# KiCad board BioAmp-EXG-Panel.kicad_pcb
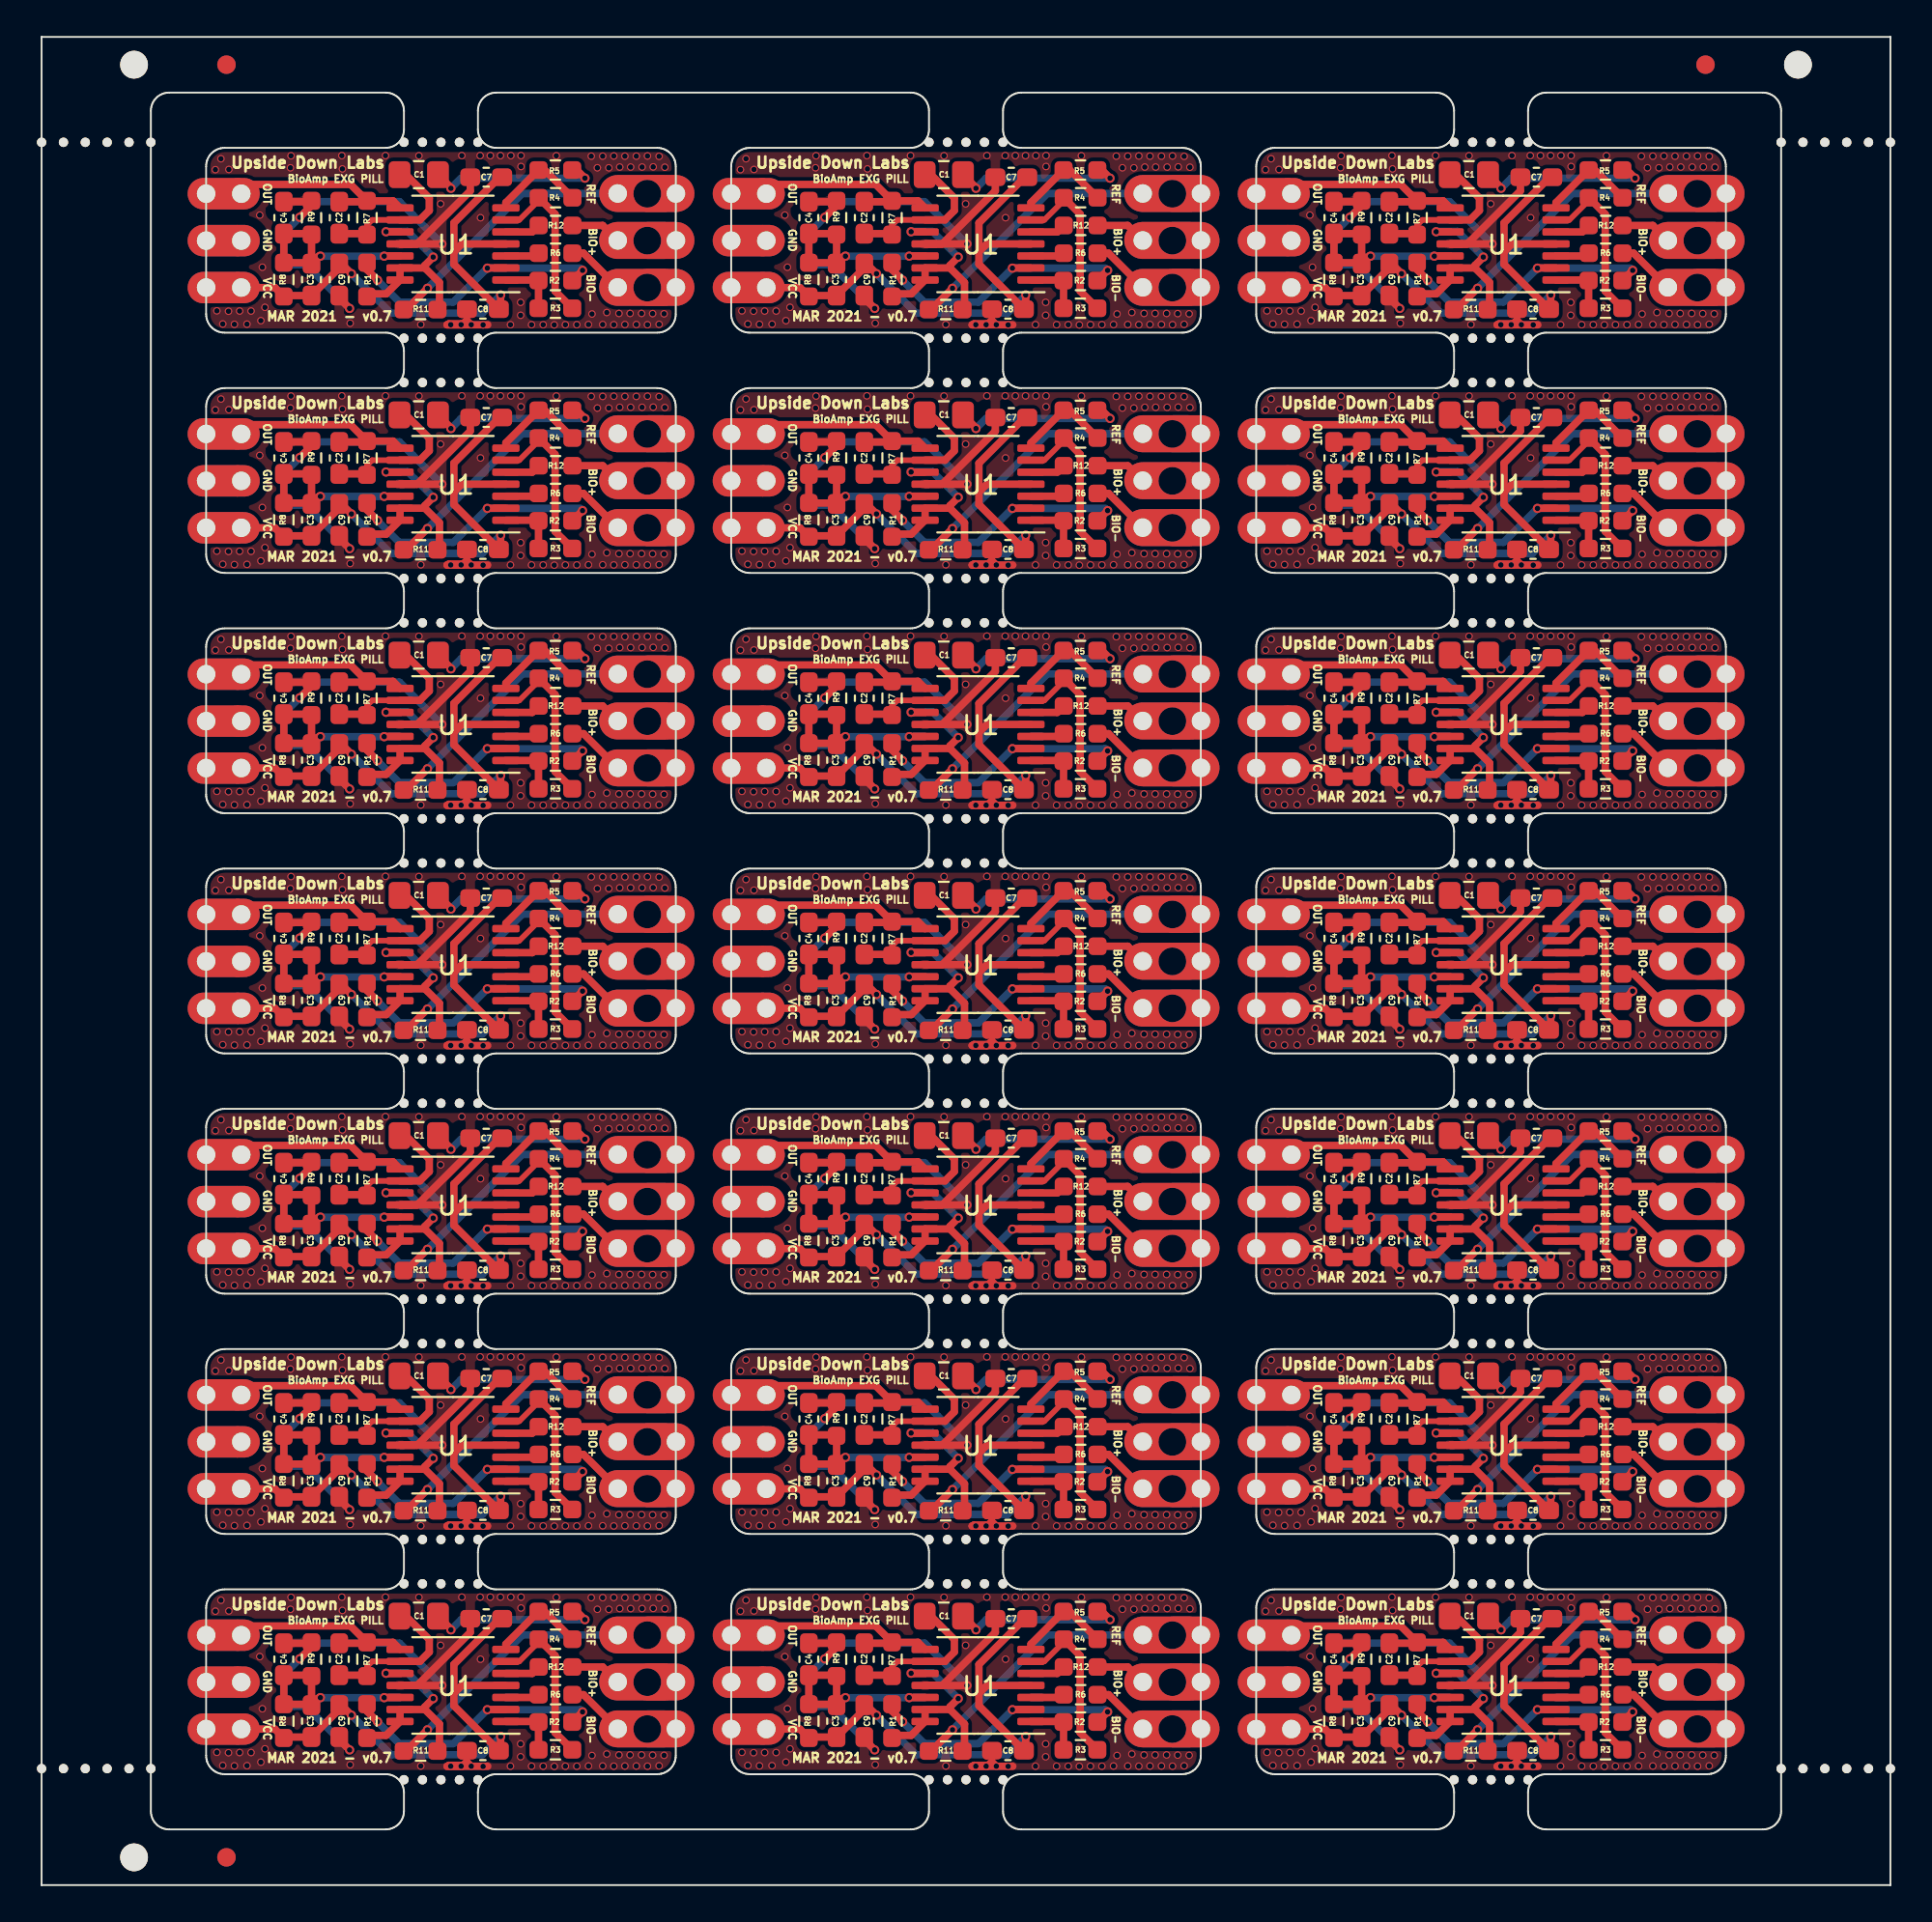
[diagram p0: board, top side]
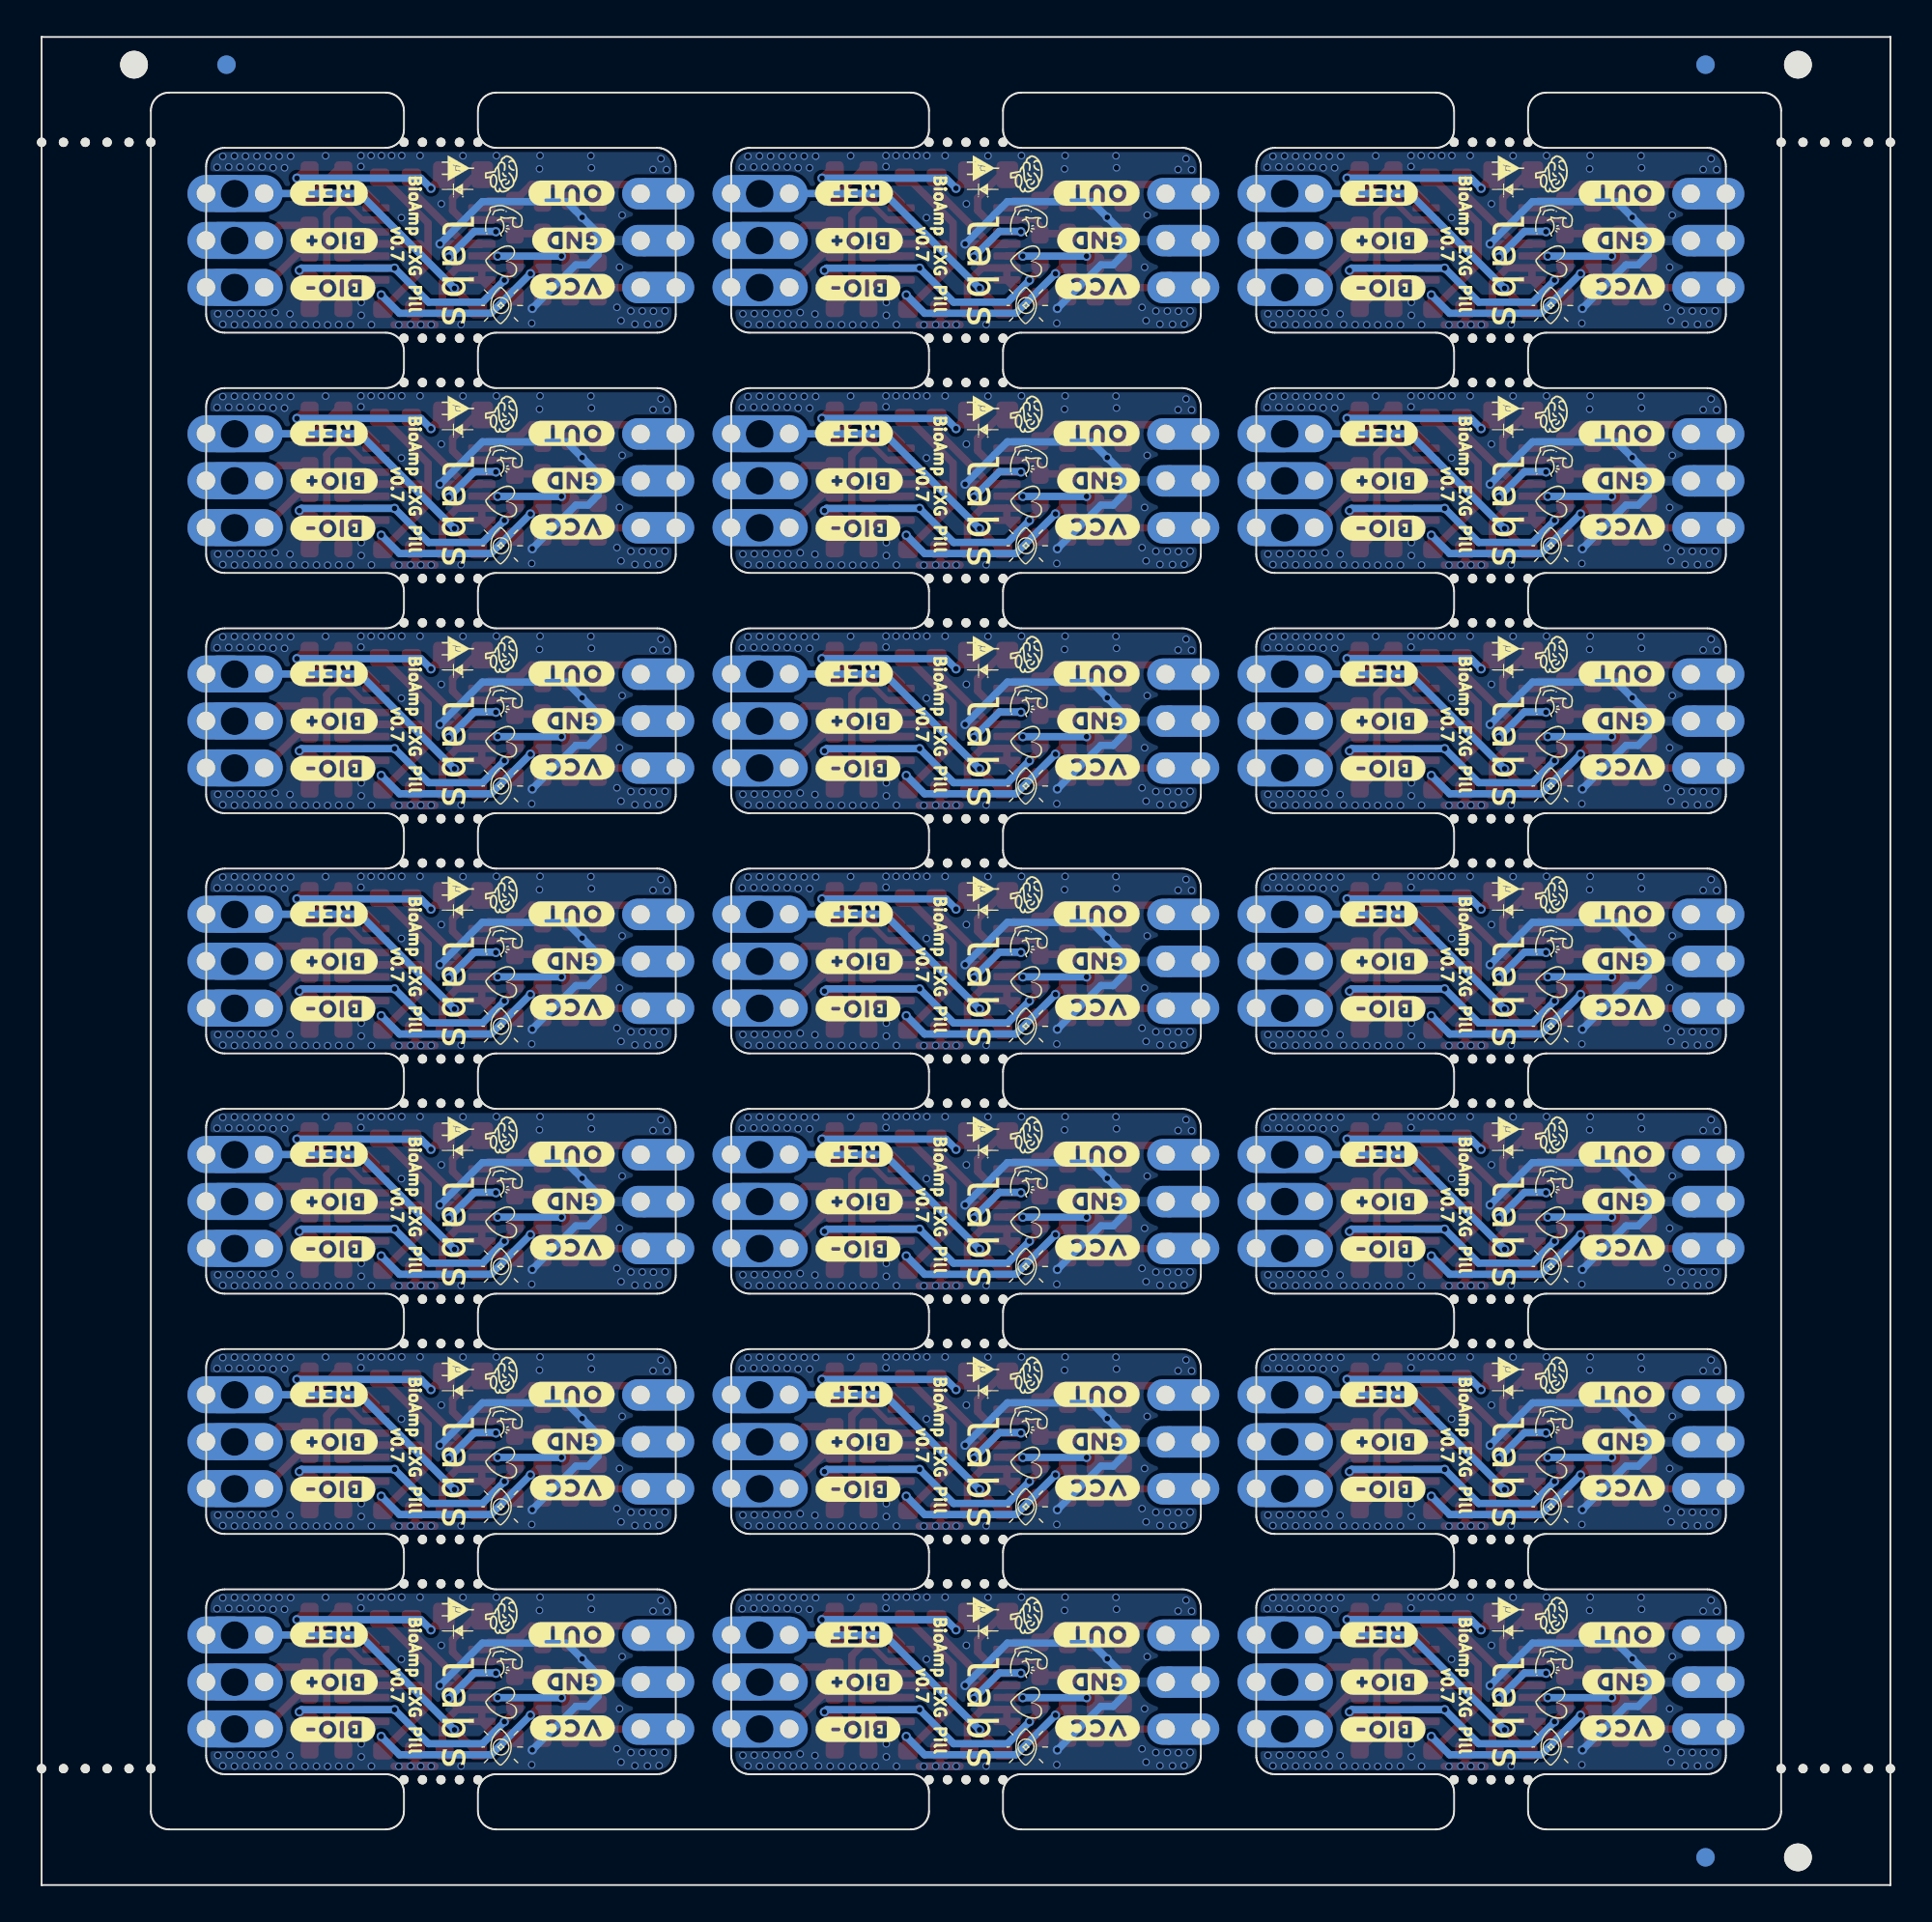
[diagram p1: board, bottom side, seen from below]

Outline 100 x 100 mm; copper layers: Top, Bottom. Coordinates in mm from the lower left corner of the outline.

## Placement (name value [footprint] x y rotation side)
C1  47uf  [C_0805_2012Metric_Pad1.18x1.45mm_HandSolder]  20.4 92.55 0 top
C1#2  47uf  [C_0805_2012Metric_Pad1.18x1.45mm_HandSolder]  48.8 92.55 0 top
C1#3  47uf  [C_0805_2012Metric_Pad1.18x1.45mm_HandSolder]  77.2 92.55 0 top
C1#4  47uf  [C_0805_2012Metric_Pad1.18x1.45mm_HandSolder]  20.4 79.55 0 top
C1#5  47uf  [C_0805_2012Metric_Pad1.18x1.45mm_HandSolder]  48.8 79.55 0 top
C1#6  47uf  [C_0805_2012Metric_Pad1.18x1.45mm_HandSolder]  77.2 79.55 0 top
C1#7  47uf  [C_0805_2012Metric_Pad1.18x1.45mm_HandSolder]  20.4 66.55 0 top
C1#8  47uf  [C_0805_2012Metric_Pad1.18x1.45mm_HandSolder]  48.8 66.55 0 top
C1#9  47uf  [C_0805_2012Metric_Pad1.18x1.45mm_HandSolder]  77.2 66.55 0 top
C1#10  47uf  [C_0805_2012Metric_Pad1.18x1.45mm_HandSolder]  20.4 53.55 0 top
C1#11  47uf  [C_0805_2012Metric_Pad1.18x1.45mm_HandSolder]  48.8 53.55 0 top
C1#12  47uf  [C_0805_2012Metric_Pad1.18x1.45mm_HandSolder]  77.2 53.55 0 top
C1#13  47uf  [C_0805_2012Metric_Pad1.18x1.45mm_HandSolder]  20.4 40.55 0 top
C1#14  47uf  [C_0805_2012Metric_Pad1.18x1.45mm_HandSolder]  48.8 40.55 0 top
C1#15  47uf  [C_0805_2012Metric_Pad1.18x1.45mm_HandSolder]  77.2 40.55 0 top
C1#16  47uf  [C_0805_2012Metric_Pad1.18x1.45mm_HandSolder]  20.4 27.55 0 top
C1#17  47uf  [C_0805_2012Metric_Pad1.18x1.45mm_HandSolder]  48.8 27.55 0 top
C1#18  47uf  [C_0805_2012Metric_Pad1.18x1.45mm_HandSolder]  77.2 27.55 0 top
C1#19  47uf  [C_0805_2012Metric_Pad1.18x1.45mm_HandSolder]  20.4 14.55 0 top
C1#20  47uf  [C_0805_2012Metric_Pad1.18x1.45mm_HandSolder]  48.8 14.55 0 top
C1#21  47uf  [C_0805_2012Metric_Pad1.18x1.45mm_HandSolder]  77.2 14.55 0 top
C2  100pf  [C_0603_1608Metric_Pad1.08x0.95mm_HandSolder]  16.1 90.22 270 top
C2#2  100pf  [C_0603_1608Metric_Pad1.08x0.95mm_HandSolder]  44.5 90.22 270 top
C2#3  100pf  [C_0603_1608Metric_Pad1.08x0.95mm_HandSolder]  72.9 90.22 270 top
C2#4  100pf  [C_0603_1608Metric_Pad1.08x0.95mm_HandSolder]  16.1 77.22 270 top
C2#5  100pf  [C_0603_1608Metric_Pad1.08x0.95mm_HandSolder]  44.5 77.22 270 top
C2#6  100pf  [C_0603_1608Metric_Pad1.08x0.95mm_HandSolder]  72.9 77.22 270 top
C2#7  100pf  [C_0603_1608Metric_Pad1.08x0.95mm_HandSolder]  16.1 64.22 270 top
C2#8  100pf  [C_0603_1608Metric_Pad1.08x0.95mm_HandSolder]  44.5 64.22 270 top
C2#9  100pf  [C_0603_1608Metric_Pad1.08x0.95mm_HandSolder]  72.9 64.22 270 top
C2#10  100pf  [C_0603_1608Metric_Pad1.08x0.95mm_HandSolder]  16.1 51.22 270 top
C2#11  100pf  [C_0603_1608Metric_Pad1.08x0.95mm_HandSolder]  44.5 51.22 270 top
C2#12  100pf  [C_0603_1608Metric_Pad1.08x0.95mm_HandSolder]  72.9 51.22 270 top
C2#13  100pf  [C_0603_1608Metric_Pad1.08x0.95mm_HandSolder]  16.1 38.22 270 top
C2#14  100pf  [C_0603_1608Metric_Pad1.08x0.95mm_HandSolder]  44.5 38.22 270 top
C2#15  100pf  [C_0603_1608Metric_Pad1.08x0.95mm_HandSolder]  72.9 38.22 270 top
C2#16  100pf  [C_0603_1608Metric_Pad1.08x0.95mm_HandSolder]  16.1 25.22 270 top
C2#17  100pf  [C_0603_1608Metric_Pad1.08x0.95mm_HandSolder]  44.5 25.22 270 top
C2#18  100pf  [C_0603_1608Metric_Pad1.08x0.95mm_HandSolder]  72.9 25.22 270 top
C2#19  100pf  [C_0603_1608Metric_Pad1.08x0.95mm_HandSolder]  16.1 12.22 270 top
C2#20  100pf  [C_0603_1608Metric_Pad1.08x0.95mm_HandSolder]  44.5 12.22 270 top
C2#21  100pf  [C_0603_1608Metric_Pad1.08x0.95mm_HandSolder]  72.9 12.22 270 top
C3  100n  [C_0603_1608Metric_Pad1.08x0.95mm_HandSolder]  14.6 86.87 90 top
C3#2  100n  [C_0603_1608Metric_Pad1.08x0.95mm_HandSolder]  43 86.87 90 top
C3#3  100n  [C_0603_1608Metric_Pad1.08x0.95mm_HandSolder]  71.4 86.87 90 top
C3#4  100n  [C_0603_1608Metric_Pad1.08x0.95mm_HandSolder]  14.6 73.87 90 top
C3#5  100n  [C_0603_1608Metric_Pad1.08x0.95mm_HandSolder]  43 73.87 90 top
C3#6  100n  [C_0603_1608Metric_Pad1.08x0.95mm_HandSolder]  71.4 73.87 90 top
C3#7  100n  [C_0603_1608Metric_Pad1.08x0.95mm_HandSolder]  14.6 60.87 90 top
C3#8  100n  [C_0603_1608Metric_Pad1.08x0.95mm_HandSolder]  43 60.87 90 top
C3#9  100n  [C_0603_1608Metric_Pad1.08x0.95mm_HandSolder]  71.4 60.87 90 top
C3#10  100n  [C_0603_1608Metric_Pad1.08x0.95mm_HandSolder]  14.6 47.87 90 top
C3#11  100n  [C_0603_1608Metric_Pad1.08x0.95mm_HandSolder]  43 47.87 90 top
C3#12  100n  [C_0603_1608Metric_Pad1.08x0.95mm_HandSolder]  71.4 47.87 90 top
C3#13  100n  [C_0603_1608Metric_Pad1.08x0.95mm_HandSolder]  14.6 34.87 90 top
C3#14  100n  [C_0603_1608Metric_Pad1.08x0.95mm_HandSolder]  43 34.87 90 top
C3#15  100n  [C_0603_1608Metric_Pad1.08x0.95mm_HandSolder]  71.4 34.87 90 top
C3#16  100n  [C_0603_1608Metric_Pad1.08x0.95mm_HandSolder]  14.6 21.87 90 top
C3#17  100n  [C_0603_1608Metric_Pad1.08x0.95mm_HandSolder]  43 21.87 90 top
C3#18  100n  [C_0603_1608Metric_Pad1.08x0.95mm_HandSolder]  71.4 21.87 90 top
C3#19  100n  [C_0603_1608Metric_Pad1.08x0.95mm_HandSolder]  14.6 8.87 90 top
C3#20  100n  [C_0603_1608Metric_Pad1.08x0.95mm_HandSolder]  43 8.87 90 top
C3#21  100n  [C_0603_1608Metric_Pad1.08x0.95mm_HandSolder]  71.4 8.87 90 top
C4  100n  [C_0603_1608Metric_Pad1.08x0.95mm_HandSolder]  13.1 90.22 90 top
C4#2  100n  [C_0603_1608Metric_Pad1.08x0.95mm_HandSolder]  41.5 90.22 90 top
C4#3  100n  [C_0603_1608Metric_Pad1.08x0.95mm_HandSolder]  69.9 90.22 90 top
C4#4  100n  [C_0603_1608Metric_Pad1.08x0.95mm_HandSolder]  13.1 77.22 90 top
C4#5  100n  [C_0603_1608Metric_Pad1.08x0.95mm_HandSolder]  41.5 77.22 90 top
C4#6  100n  [C_0603_1608Metric_Pad1.08x0.95mm_HandSolder]  69.9 77.22 90 top
C4#7  100n  [C_0603_1608Metric_Pad1.08x0.95mm_HandSolder]  13.1 64.22 90 top
C4#8  100n  [C_0603_1608Metric_Pad1.08x0.95mm_HandSolder]  41.5 64.22 90 top
C4#9  100n  [C_0603_1608Metric_Pad1.08x0.95mm_HandSolder]  69.9 64.22 90 top
C4#10  100n  [C_0603_1608Metric_Pad1.08x0.95mm_HandSolder]  13.1 51.22 90 top
C4#11  100n  [C_0603_1608Metric_Pad1.08x0.95mm_HandSolder]  41.5 51.22 90 top
C4#12  100n  [C_0603_1608Metric_Pad1.08x0.95mm_HandSolder]  69.9 51.22 90 top
C4#13  100n  [C_0603_1608Metric_Pad1.08x0.95mm_HandSolder]  13.1 38.22 90 top
C4#14  100n  [C_0603_1608Metric_Pad1.08x0.95mm_HandSolder]  41.5 38.22 90 top
C4#15  100n  [C_0603_1608Metric_Pad1.08x0.95mm_HandSolder]  69.9 38.22 90 top
C4#16  100n  [C_0603_1608Metric_Pad1.08x0.95mm_HandSolder]  13.1 25.22 90 top
C4#17  100n  [C_0603_1608Metric_Pad1.08x0.95mm_HandSolder]  41.5 25.22 90 top
C4#18  100n  [C_0603_1608Metric_Pad1.08x0.95mm_HandSolder]  69.9 25.22 90 top
C4#19  100n  [C_0603_1608Metric_Pad1.08x0.95mm_HandSolder]  13.1 12.22 90 top
C4#20  100n  [C_0603_1608Metric_Pad1.08x0.95mm_HandSolder]  41.5 12.22 90 top
C4#21  100n  [C_0603_1608Metric_Pad1.08x0.95mm_HandSolder]  69.9 12.22 90 top
C7  100nf  [C_0603_1608Metric_Pad1.08x0.95mm_HandSolder]  24.05 92.41 180 top
C7#2  100nf  [C_0603_1608Metric_Pad1.08x0.95mm_HandSolder]  52.45 92.41 180 top
C7#3  100nf  [C_0603_1608Metric_Pad1.08x0.95mm_HandSolder]  80.85 92.41 180 top
C7#4  100nf  [C_0603_1608Metric_Pad1.08x0.95mm_HandSolder]  24.05 79.41 180 top
C7#5  100nf  [C_0603_1608Metric_Pad1.08x0.95mm_HandSolder]  52.45 79.41 180 top
C7#6  100nf  [C_0603_1608Metric_Pad1.08x0.95mm_HandSolder]  80.85 79.41 180 top
C7#7  100nf  [C_0603_1608Metric_Pad1.08x0.95mm_HandSolder]  24.05 66.41 180 top
C7#8  100nf  [C_0603_1608Metric_Pad1.08x0.95mm_HandSolder]  52.45 66.41 180 top
C7#9  100nf  [C_0603_1608Metric_Pad1.08x0.95mm_HandSolder]  80.85 66.41 180 top
C7#10  100nf  [C_0603_1608Metric_Pad1.08x0.95mm_HandSolder]  24.05 53.41 180 top
C7#11  100nf  [C_0603_1608Metric_Pad1.08x0.95mm_HandSolder]  52.45 53.41 180 top
C7#12  100nf  [C_0603_1608Metric_Pad1.08x0.95mm_HandSolder]  80.85 53.41 180 top
C7#13  100nf  [C_0603_1608Metric_Pad1.08x0.95mm_HandSolder]  24.05 40.41 180 top
C7#14  100nf  [C_0603_1608Metric_Pad1.08x0.95mm_HandSolder]  52.45 40.41 180 top
C7#15  100nf  [C_0603_1608Metric_Pad1.08x0.95mm_HandSolder]  80.85 40.41 180 top
C7#16  100nf  [C_0603_1608Metric_Pad1.08x0.95mm_HandSolder]  24.05 27.41 180 top
C7#17  100nf  [C_0603_1608Metric_Pad1.08x0.95mm_HandSolder]  52.45 27.41 180 top
C7#18  100nf  [C_0603_1608Metric_Pad1.08x0.95mm_HandSolder]  80.85 27.41 180 top
C7#19  100nf  [C_0603_1608Metric_Pad1.08x0.95mm_HandSolder]  24.05 14.41 180 top
C7#20  100nf  [C_0603_1608Metric_Pad1.08x0.95mm_HandSolder]  52.45 14.41 180 top
C7#21  100nf  [C_0603_1608Metric_Pad1.08x0.95mm_HandSolder]  80.85 14.41 180 top
C8  2.2uf  [C_0603_1608Metric_Pad1.08x0.95mm_HandSolder]  23.87 85.27 0 top
C8#2  2.2uf  [C_0603_1608Metric_Pad1.08x0.95mm_HandSolder]  52.27 85.27 0 top
C8#3  2.2uf  [C_0603_1608Metric_Pad1.08x0.95mm_HandSolder]  80.67 85.27 0 top
C8#4  2.2uf  [C_0603_1608Metric_Pad1.08x0.95mm_HandSolder]  23.87 72.27 0 top
C8#5  2.2uf  [C_0603_1608Metric_Pad1.08x0.95mm_HandSolder]  52.27 72.27 0 top
C8#6  2.2uf  [C_0603_1608Metric_Pad1.08x0.95mm_HandSolder]  80.67 72.27 0 top
C8#7  2.2uf  [C_0603_1608Metric_Pad1.08x0.95mm_HandSolder]  23.87 59.27 0 top
C8#8  2.2uf  [C_0603_1608Metric_Pad1.08x0.95mm_HandSolder]  52.27 59.27 0 top
C8#9  2.2uf  [C_0603_1608Metric_Pad1.08x0.95mm_HandSolder]  80.67 59.27 0 top
C8#10  2.2uf  [C_0603_1608Metric_Pad1.08x0.95mm_HandSolder]  23.87 46.27 0 top
C8#11  2.2uf  [C_0603_1608Metric_Pad1.08x0.95mm_HandSolder]  52.27 46.27 0 top
C8#12  2.2uf  [C_0603_1608Metric_Pad1.08x0.95mm_HandSolder]  80.67 46.27 0 top
C8#13  2.2uf  [C_0603_1608Metric_Pad1.08x0.95mm_HandSolder]  23.87 33.27 0 top
C8#14  2.2uf  [C_0603_1608Metric_Pad1.08x0.95mm_HandSolder]  52.27 33.27 0 top
C8#15  2.2uf  [C_0603_1608Metric_Pad1.08x0.95mm_HandSolder]  80.67 33.27 0 top
C8#16  2.2uf  [C_0603_1608Metric_Pad1.08x0.95mm_HandSolder]  23.87 20.27 0 top
C8#17  2.2uf  [C_0603_1608Metric_Pad1.08x0.95mm_HandSolder]  52.27 20.27 0 top
C8#18  2.2uf  [C_0603_1608Metric_Pad1.08x0.95mm_HandSolder]  80.67 20.27 0 top
C8#19  2.2uf  [C_0603_1608Metric_Pad1.08x0.95mm_HandSolder]  23.87 7.27 0 top
C8#20  2.2uf  [C_0603_1608Metric_Pad1.08x0.95mm_HandSolder]  52.27 7.27 0 top
C8#21  2.2uf  [C_0603_1608Metric_Pad1.08x0.95mm_HandSolder]  80.67 7.27 0 top
C9  100nf  [C_0603_1608Metric_Pad1.08x0.95mm_HandSolder]  16.1 86.87 90 top
C9#2  100nf  [C_0603_1608Metric_Pad1.08x0.95mm_HandSolder]  44.5 86.87 90 top
C9#3  100nf  [C_0603_1608Metric_Pad1.08x0.95mm_HandSolder]  72.9 86.87 90 top
C9#4  100nf  [C_0603_1608Metric_Pad1.08x0.95mm_HandSolder]  16.1 73.87 90 top
C9#5  100nf  [C_0603_1608Metric_Pad1.08x0.95mm_HandSolder]  44.5 73.87 90 top
C9#6  100nf  [C_0603_1608Metric_Pad1.08x0.95mm_HandSolder]  72.9 73.87 90 top
C9#7  100nf  [C_0603_1608Metric_Pad1.08x0.95mm_HandSolder]  16.1 60.87 90 top
C9#8  100nf  [C_0603_1608Metric_Pad1.08x0.95mm_HandSolder]  44.5 60.87 90 top
C9#9  100nf  [C_0603_1608Metric_Pad1.08x0.95mm_HandSolder]  72.9 60.87 90 top
C9#10  100nf  [C_0603_1608Metric_Pad1.08x0.95mm_HandSolder]  16.1 47.87 90 top
C9#11  100nf  [C_0603_1608Metric_Pad1.08x0.95mm_HandSolder]  44.5 47.87 90 top
C9#12  100nf  [C_0603_1608Metric_Pad1.08x0.95mm_HandSolder]  72.9 47.87 90 top
C9#13  100nf  [C_0603_1608Metric_Pad1.08x0.95mm_HandSolder]  16.1 34.87 90 top
C9#14  100nf  [C_0603_1608Metric_Pad1.08x0.95mm_HandSolder]  44.5 34.87 90 top
C9#15  100nf  [C_0603_1608Metric_Pad1.08x0.95mm_HandSolder]  72.9 34.87 90 top
C9#16  100nf  [C_0603_1608Metric_Pad1.08x0.95mm_HandSolder]  16.1 21.87 90 top
C9#17  100nf  [C_0603_1608Metric_Pad1.08x0.95mm_HandSolder]  44.5 21.87 90 top
C9#18  100nf  [C_0603_1608Metric_Pad1.08x0.95mm_HandSolder]  72.9 21.87 90 top
C9#19  100nf  [C_0603_1608Metric_Pad1.08x0.95mm_HandSolder]  16.1 8.87 90 top
C9#20  100nf  [C_0603_1608Metric_Pad1.08x0.95mm_HandSolder]  44.5 8.87 90 top
C9#21  100nf  [C_0603_1608Metric_Pad1.08x0.95mm_HandSolder]  72.9 8.87 90 top
G***  LOGO  [udlabs_exg]  19.43 89.02 270 bottom
G***#2  LOGO  [udlabs_exg]  47.83 89.02 270 bottom
G***#3  LOGO  [udlabs_exg]  76.23 89.02 270 bottom
G***#4  LOGO  [udlabs_exg]  19.43 76.02 270 bottom
G***#5  LOGO  [udlabs_exg]  47.83 76.02 270 bottom
G***#6  LOGO  [udlabs_exg]  76.23 76.02 270 bottom
G***#7  LOGO  [udlabs_exg]  19.43 63.02 270 bottom
G***#8  LOGO  [udlabs_exg]  47.83 63.02 270 bottom
G***#9  LOGO  [udlabs_exg]  76.23 63.02 270 bottom
G***#10  LOGO  [udlabs_exg]  19.43 50.02 270 bottom
G***#11  LOGO  [udlabs_exg]  47.83 50.02 270 bottom
G***#12  LOGO  [udlabs_exg]  76.23 50.02 270 bottom
G***#13  LOGO  [udlabs_exg]  19.43 37.02 270 bottom
G***#14  LOGO  [udlabs_exg]  47.83 37.02 270 bottom
G***#15  LOGO  [udlabs_exg]  76.23 37.02 270 bottom
G***#16  LOGO  [udlabs_exg]  19.43 24.02 270 bottom
G***#17  LOGO  [udlabs_exg]  47.83 24.02 270 bottom
G***#18  LOGO  [udlabs_exg]  76.23 24.02 270 bottom
G***#19  LOGO  [udlabs_exg]  19.43 11.02 270 bottom
G***#20  LOGO  [udlabs_exg]  47.83 11.02 270 bottom
G***#21  LOGO  [udlabs_exg]  76.23 11.02 270 bottom
J1  Conn_01x03  [PinHeader_1x03_P2.54mm_Vertical#2]  34.31 91.53 0 top
J1#2  Conn_01x03  [PinHeader_1x03_P2.54mm_Vertical#3]  31.16 91.53 0 top
J1#3  Conn_01x03  [PinHeader_1x03_P2.54mm_Vertical#2]  62.71 91.53 0 top
J1#4  Conn_01x03  [PinHeader_1x03_P2.54mm_Vertical#3]  59.56 91.53 0 top
J1#5  Conn_01x03  [PinHeader_1x03_P2.54mm_Vertical#2]  91.11 91.53 0 top
J1#6  Conn_01x03  [PinHeader_1x03_P2.54mm_Vertical#3]  87.96 91.53 0 top
J1#7  Conn_01x03  [PinHeader_1x03_P2.54mm_Vertical#2]  34.31 78.53 0 top
J1#8  Conn_01x03  [PinHeader_1x03_P2.54mm_Vertical#3]  31.16 78.53 0 top
J1#9  Conn_01x03  [PinHeader_1x03_P2.54mm_Vertical#2]  62.71 78.53 0 top
J1#10  Conn_01x03  [PinHeader_1x03_P2.54mm_Vertical#3]  59.56 78.53 0 top
J1#11  Conn_01x03  [PinHeader_1x03_P2.54mm_Vertical#2]  91.11 78.53 0 top
J1#12  Conn_01x03  [PinHeader_1x03_P2.54mm_Vertical#3]  87.96 78.53 0 top
J1#13  Conn_01x03  [PinHeader_1x03_P2.54mm_Vertical#2]  34.31 65.53 0 top
J1#14  Conn_01x03  [PinHeader_1x03_P2.54mm_Vertical#3]  31.16 65.53 0 top
J1#15  Conn_01x03  [PinHeader_1x03_P2.54mm_Vertical#2]  62.71 65.53 0 top
J1#16  Conn_01x03  [PinHeader_1x03_P2.54mm_Vertical#3]  59.56 65.53 0 top
J1#17  Conn_01x03  [PinHeader_1x03_P2.54mm_Vertical#2]  91.11 65.53 0 top
J1#18  Conn_01x03  [PinHeader_1x03_P2.54mm_Vertical#3]  87.96 65.53 0 top
J1#19  Conn_01x03  [PinHeader_1x03_P2.54mm_Vertical#2]  34.31 52.53 0 top
J1#20  Conn_01x03  [PinHeader_1x03_P2.54mm_Vertical#3]  31.16 52.53 0 top
J1#21  Conn_01x03  [PinHeader_1x03_P2.54mm_Vertical#2]  62.71 52.53 0 top
J1#22  Conn_01x03  [PinHeader_1x03_P2.54mm_Vertical#3]  59.56 52.53 0 top
J1#23  Conn_01x03  [PinHeader_1x03_P2.54mm_Vertical#2]  91.11 52.53 0 top
J1#24  Conn_01x03  [PinHeader_1x03_P2.54mm_Vertical#3]  87.96 52.53 0 top
J1#25  Conn_01x03  [PinHeader_1x03_P2.54mm_Vertical#2]  34.31 39.53 0 top
J1#26  Conn_01x03  [PinHeader_1x03_P2.54mm_Vertical#3]  31.16 39.53 0 top
J1#27  Conn_01x03  [PinHeader_1x03_P2.54mm_Vertical#2]  62.71 39.53 0 top
J1#28  Conn_01x03  [PinHeader_1x03_P2.54mm_Vertical#3]  59.56 39.53 0 top
J1#29  Conn_01x03  [PinHeader_1x03_P2.54mm_Vertical#2]  91.11 39.53 0 top
J1#30  Conn_01x03  [PinHeader_1x03_P2.54mm_Vertical#3]  87.96 39.53 0 top
J1#31  Conn_01x03  [PinHeader_1x03_P2.54mm_Vertical#2]  34.31 26.53 0 top
J1#32  Conn_01x03  [PinHeader_1x03_P2.54mm_Vertical#3]  31.16 26.53 0 top
J1#33  Conn_01x03  [PinHeader_1x03_P2.54mm_Vertical#2]  62.71 26.53 0 top
J1#34  Conn_01x03  [PinHeader_1x03_P2.54mm_Vertical#3]  59.56 26.53 0 top
J1#35  Conn_01x03  [PinHeader_1x03_P2.54mm_Vertical#2]  91.11 26.53 0 top
J1#36  Conn_01x03  [PinHeader_1x03_P2.54mm_Vertical#3]  87.96 26.53 0 top
J1#37  Conn_01x03  [PinHeader_1x03_P2.54mm_Vertical#2]  34.31 13.53 0 top
J1#38  Conn_01x03  [PinHeader_1x03_P2.54mm_Vertical#3]  31.16 13.53 0 top
J1#39  Conn_01x03  [PinHeader_1x03_P2.54mm_Vertical#2]  62.71 13.53 0 top
J1#40  Conn_01x03  [PinHeader_1x03_P2.54mm_Vertical#3]  59.56 13.53 0 top
J1#41  Conn_01x03  [PinHeader_1x03_P2.54mm_Vertical#2]  91.11 13.53 0 top
J1#42  Conn_01x03  [PinHeader_1x03_P2.54mm_Vertical#3]  87.96 13.53 0 top
J2  Conn_01x03  [PinHeader_1x03_P2.54mm_Vertical]  8.9 91.52 0 top
J2#2  Conn_01x03  [PinHeader_1x03_P2.54mm_Vertical#4]  10.8 91.52 0 top
J2#3  Conn_01x03  [PinHeader_1x03_P2.54mm_Vertical]  37.3 91.52 0 top
J2#4  Conn_01x03  [PinHeader_1x03_P2.54mm_Vertical#4]  39.2 91.52 0 top
J2#5  Conn_01x03  [PinHeader_1x03_P2.54mm_Vertical]  65.7 91.52 0 top
J2#6  Conn_01x03  [PinHeader_1x03_P2.54mm_Vertical#4]  67.6 91.52 0 top
J2#7  Conn_01x03  [PinHeader_1x03_P2.54mm_Vertical]  8.9 78.52 0 top
J2#8  Conn_01x03  [PinHeader_1x03_P2.54mm_Vertical#4]  10.8 78.52 0 top
J2#9  Conn_01x03  [PinHeader_1x03_P2.54mm_Vertical]  37.3 78.52 0 top
J2#10  Conn_01x03  [PinHeader_1x03_P2.54mm_Vertical#4]  39.2 78.52 0 top
J2#11  Conn_01x03  [PinHeader_1x03_P2.54mm_Vertical]  65.7 78.52 0 top
J2#12  Conn_01x03  [PinHeader_1x03_P2.54mm_Vertical#4]  67.6 78.52 0 top
J2#13  Conn_01x03  [PinHeader_1x03_P2.54mm_Vertical]  8.9 65.52 0 top
J2#14  Conn_01x03  [PinHeader_1x03_P2.54mm_Vertical#4]  10.8 65.52 0 top
J2#15  Conn_01x03  [PinHeader_1x03_P2.54mm_Vertical]  37.3 65.52 0 top
J2#16  Conn_01x03  [PinHeader_1x03_P2.54mm_Vertical#4]  39.2 65.52 0 top
J2#17  Conn_01x03  [PinHeader_1x03_P2.54mm_Vertical]  65.7 65.52 0 top
J2#18  Conn_01x03  [PinHeader_1x03_P2.54mm_Vertical#4]  67.6 65.52 0 top
J2#19  Conn_01x03  [PinHeader_1x03_P2.54mm_Vertical]  8.9 52.52 0 top
J2#20  Conn_01x03  [PinHeader_1x03_P2.54mm_Vertical#4]  10.8 52.52 0 top
J2#21  Conn_01x03  [PinHeader_1x03_P2.54mm_Vertical]  37.3 52.52 0 top
J2#22  Conn_01x03  [PinHeader_1x03_P2.54mm_Vertical#4]  39.2 52.52 0 top
J2#23  Conn_01x03  [PinHeader_1x03_P2.54mm_Vertical]  65.7 52.52 0 top
J2#24  Conn_01x03  [PinHeader_1x03_P2.54mm_Vertical#4]  67.6 52.52 0 top
J2#25  Conn_01x03  [PinHeader_1x03_P2.54mm_Vertical]  8.9 39.52 0 top
J2#26  Conn_01x03  [PinHeader_1x03_P2.54mm_Vertical#4]  10.8 39.52 0 top
J2#27  Conn_01x03  [PinHeader_1x03_P2.54mm_Vertical]  37.3 39.52 0 top
J2#28  Conn_01x03  [PinHeader_1x03_P2.54mm_Vertical#4]  39.2 39.52 0 top
J2#29  Conn_01x03  [PinHeader_1x03_P2.54mm_Vertical]  65.7 39.52 0 top
J2#30  Conn_01x03  [PinHeader_1x03_P2.54mm_Vertical#4]  67.6 39.52 0 top